# Altium PCB 通用工装板.PcbDoc (part 5 of 10)
Units mil, origin at the board's own origin, x right, y up, seen from the top; angles counter-clockwise.
Board outline 5905.51 x 3937.01 mil, 4 copper layers (L1, L2, L3, L4), stack 30.634 mil thick; 601 components, 576 nets, 2543 pads, 2986 vias.
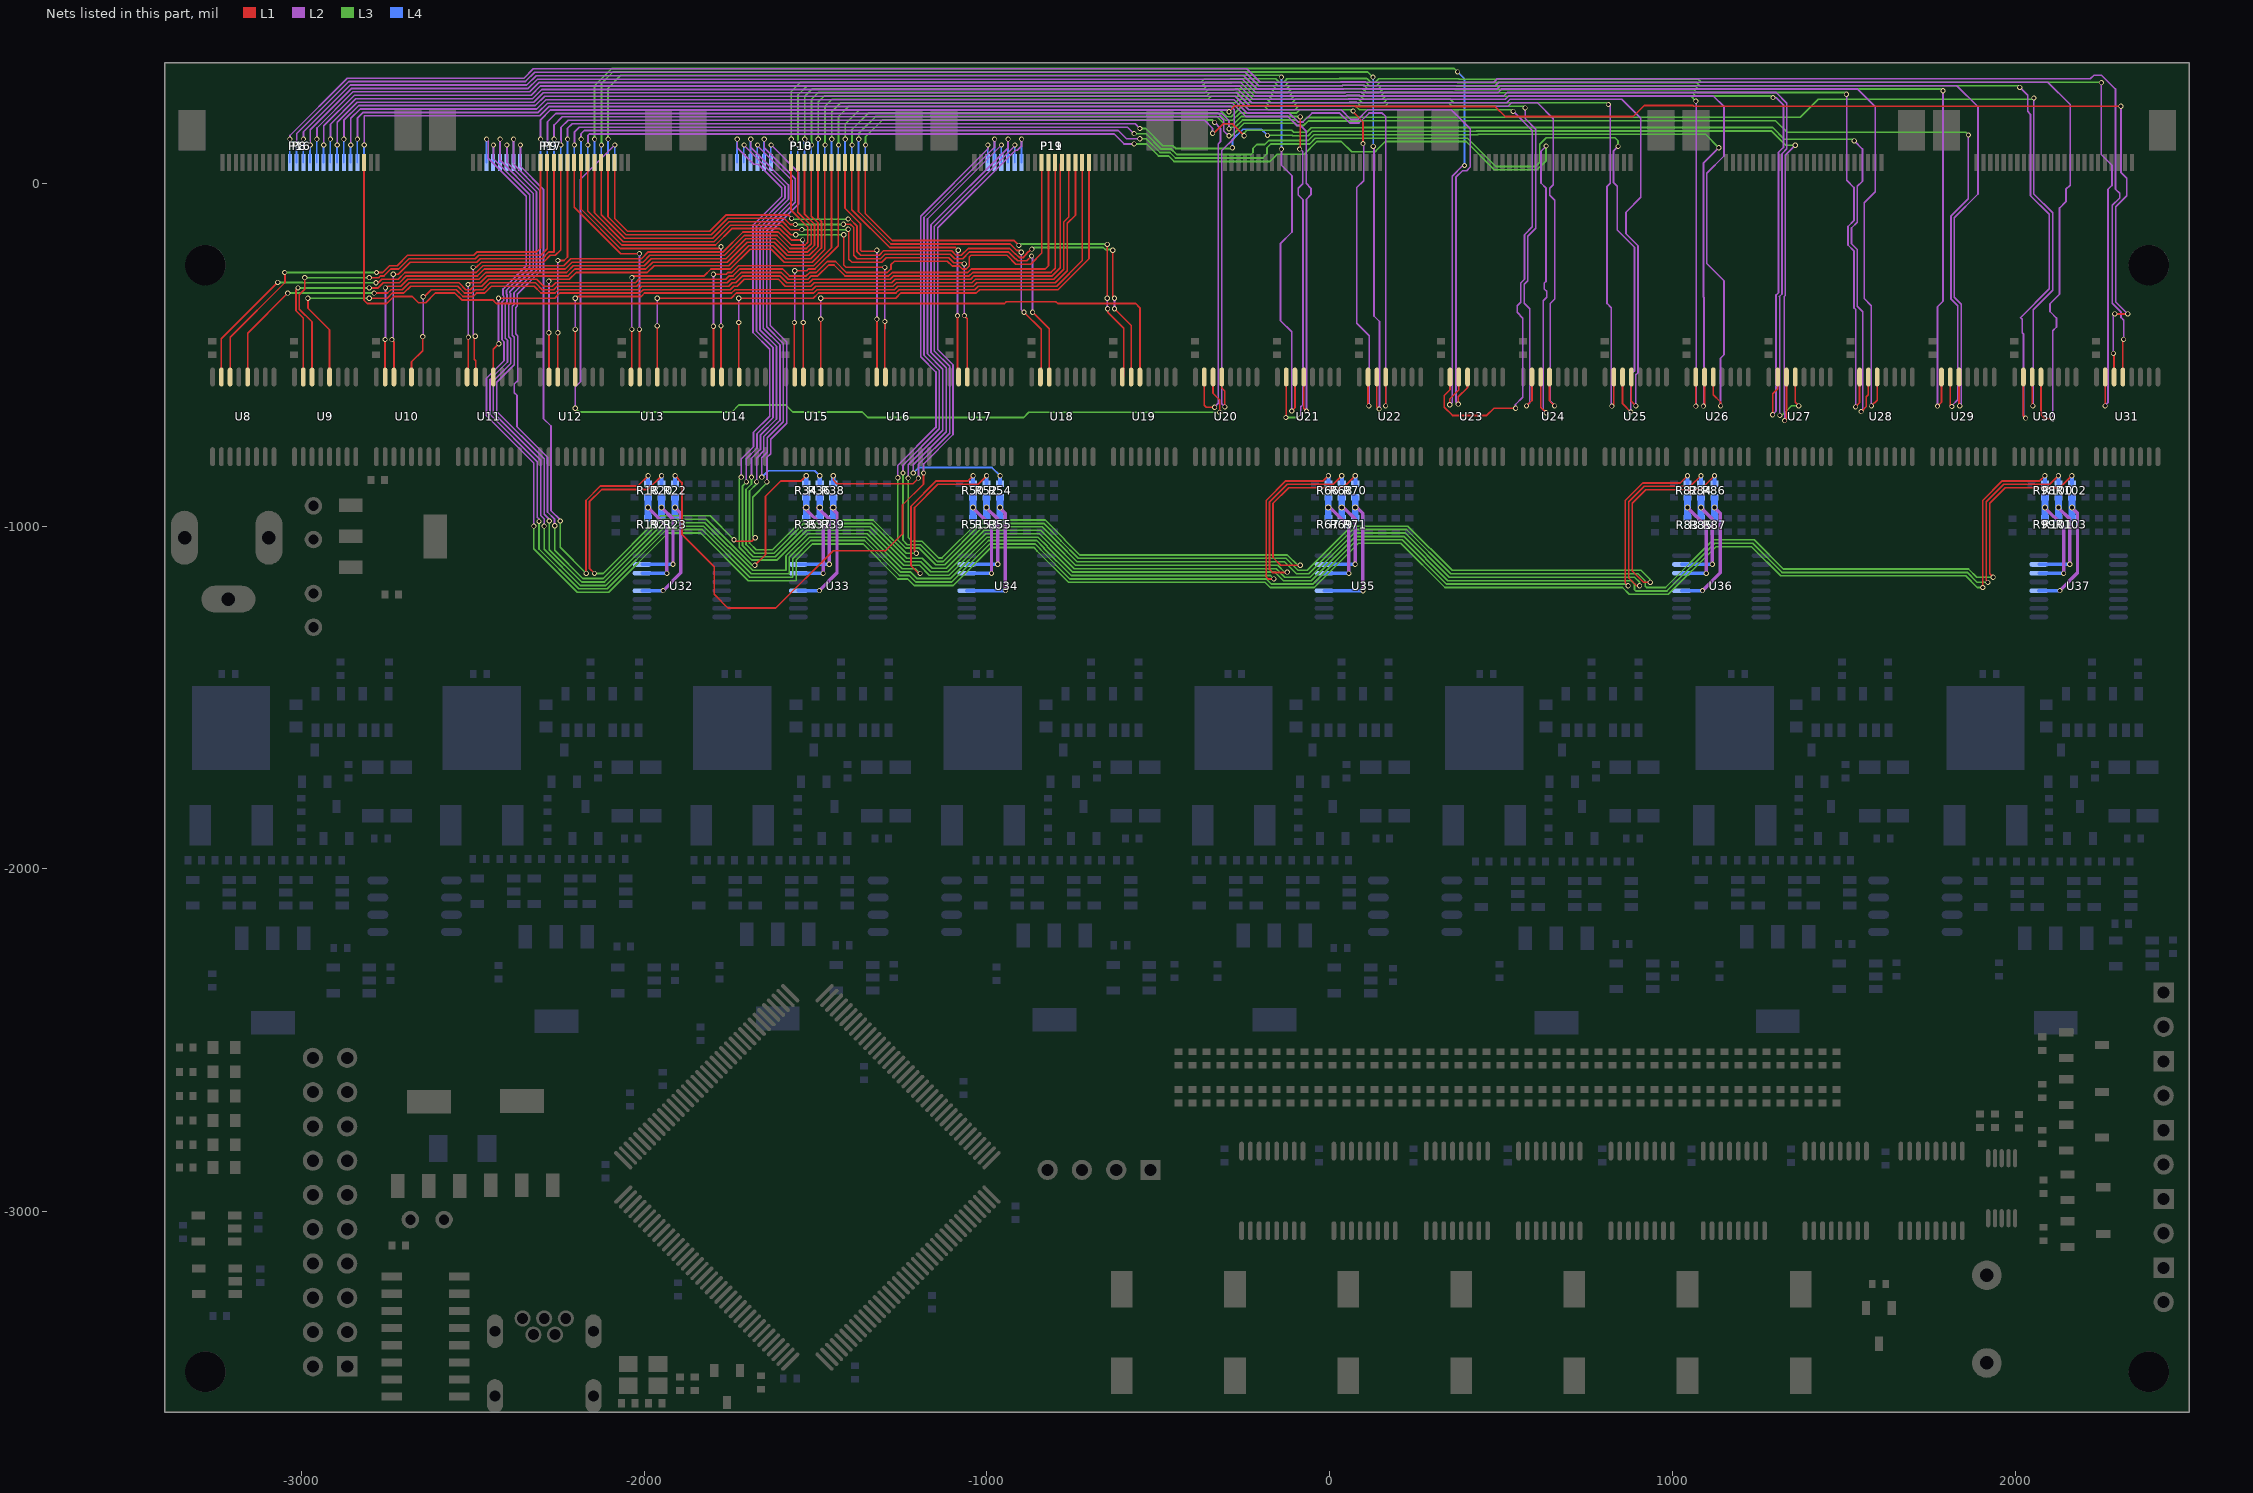
[diagram p7: the nets of this part, all layers, seen from the top]

## Via types
v1: diameter 15, hole 10, L1 to L4, tented both sides, 1853 vias
v2: diameter 18, hole 12, L1 to L4, tented both sides, 1133 vias

## Nets (pads, with @x,y where several pads share a name; then routed paths per layer and width w, separated by ;. In a path a pad name is that pad's centre, name@x,y a point inside that pad or via, vN(x,y) a via of type N, cw(c..) or ccw(c..) an arc to the next point about the centre after c; other vN are vias at no path point) (continued)
M0_GPIO11: P8.22 U19.13 | length 2920.7
  L1 w5: P8.22@-2817.29,60.67 -2817.29,-340.92 -2807.8,-350.42 -2750.92,-350.42 -2730.5,-330 -2676.29,-330 -2658.29,-348 -2637.79,-348 -2609.79,-320 -2552.64,-320 -2532.64,-340 -2441.57,-340 -2431.16,-350.42 -949,-350.42 -943.58,-345 -799,-345 -793.58,-350.42 -566.48,-350.42 -553.9,-363 U19.13@-553.9,-564.98
M0_GPIO12: P16.3 U20.13 | length 3664.7
  L1 w5: U20.13@-314.94,-564.98 -314.94,-597 -306,-605.94 v1(-306,-652)
  L2 w5: v1(-2816.63,112) -2816.63,195.37 -2815,197 -2305.14,197 -2278.14,224 -287.79,224 -279,215.21 -279,132 -315,96 -315,-643 v1(-306,-652)
  L4 w5: P16.3@-2817.29,60.67 -2817.29,111.34 v1(-2816.63,112)
M0_GPIO13: P16.4 U21.13 | length 3878.5
  L1 w5: U21.13@-75.98,-564.98 -75.98,-656.02 v1(-68,-664)
  L2 w5: v1(-2836.63,129) -2836.63,189.52 -2819.14,207 -2309.28,207 -2282.28,234 -283.64,234 -244.64,195 -122.36,195 -96.36,169 -86,169 -69,152 -69,0 -55,-14 -55,-33 -68,-46 v1(-68,-664)
  L4 w5: P16.4@-2836.97,60.67 -2836.97,128.65 v1(-2836.63,129)
M0_GPIO14: P16.5 U22.13 | length 4166.1
  L1 w5: v1(163,-649) U22.13@162.98,-564.98
  L2 w5: v1(-2856,112) -2856,189.73 -2828.72,217 -2313.43,217 -2286.43,244 -279.5,244 -240.5,205 -118.21,205 -92.21,179 -78,179 -52,205 28.86,205 57.86,176 85.36,176 114.36,205 153,205 163,195 v1(163,-649)
  L3 w5: v1(163,-649) v1@164,-648
  L4 w5: P16.5@-2856.66,60.67 -2856.66,111.34 v1(-2856,112)
M0_GPIO15: P16.6 U23.13 | length 4422.4
  L1 w5: v1(375,-644) 375,-623 401.94,-596.06 U23.13@401.94,-564.98
  L2 w5: v1(-2876,129) -2876,183.87 -2832.86,227 -2317.57,227 -2290.57,254 -275.36,254 -236.36,215 33,215 62,186 81.21,186 110.21,215 354,215 410,159 410,47.79 399.21,37 387,37 368,18 368,-637 v1(375,-644)
  L4 w5: P16.6@-2876.34,60.67 -2876.34,128.65 v1(-2876,129)
M0_I2C_SCL: P16.14 U31.13 | length 6392.4
  L1 w5: U31.13@2313.61,-564.98 v1@2313.61,-457.39
  L2 w5: v1(-3033.48,129) -3033.48,139.52 -2866,307 -2350.71,307 -2323.71,334 -242.22,334 -203.22,295 31.79,295 32.79,296 103.21,296 104.21,295 478.57,295 488.57,305 2219,305 2229.5,315.5 2251.5,315.5 2292,275 2292,-16.79 2304.21,-29 2304.21,-42.79 2283,-64 2283,-350.14 2308.5,-375.64 2308.5,-391.5 2316,-399 v1(2316,-455)
  L4 w5: P16.14@-3033.82,60.67 -3033.82,128.65 v1(-3033.48,129)
M0_I2C_SDA: P16.13 U30.13 | length 6484.3
  L1 w5: U30.13@2074.65,-564.98 2074.65,-675.65 2086,-687 v1(2109,-687)
  L2 w5: v1(-3013.48,112) -3013.48,145.38 -2861.86,297 -2346.56,297 -2319.56,324 -246.37,324 -207.37,285 35.93,285 36.93,286 99.07,286 100.07,285 482.72,285 492.72,295 2095,295 2160,230 2160,-5 2147.5,-17.5 2147.5,-53.64 2129,-72.14 2129,-323.14 2101,-351.14 2101,-373.86 2120.21,-393.07 2120.21,-419.14 2109,-430.36 v1(2109,-687)
  L4 w5: P16.13@-3014.14,60.67 -3014.14,111.34 v1(-3013.48,112)
M0_SPI_CLK: P16.11 U28.13 | length 5750.4
  L1 w5: v1(1580,-649) 1596.74,-632.26 U28.13@1596.74,-564.98
  L2 w5: v1(-2974.11,112) -2974.11,156.47 -2853.57,277 -2338.28,277 -2311.28,304 -254.65,304 -215.65,265 44.22,265 45.22,266 90.78,266 91.78,265 491,265 501,275 1540,275 1591,224 1591,-25 1559,-57 1559,-335.79 1580,-356.79 v1(1580,-649)
  L4 w5: P16.11@-2974.77,60.67 -2974.77,111.34 v1(-2974.11,112)
M0_SPI_CS: P16.12 U29.13 | length 6081.9
  L1 w5: v1@1835.69,-646.69 U29.13@1835.69,-564.98
  L2 w5: v1(-2994.11,129) -2994.11,150.61 -2857.72,287 -2342.42,287 -2315.42,314 -250.51,314 -211.51,275 40.08,275 41.08,276 94.92,276 95.92,275 486.86,275 496.86,285 1829,285 1891,223 1891,-31 1822,-100 1822,-332.5 1842,-352.5 1842,-645 v1(1838,-649)
  L4 w5: P16.12@-2994.45,60.67 -2994.45,128.65 v1(-2994.11,129)
M0_SPI_MISO: P16.9 U26.13 | length 5286.3
  L1 w5: U26.13@1118.82,-564.98 1118.82,-616.82 1140,-638 v1(1140,-649)
  L2 w5: v1(-2934.74,112) -2934.74,167.55 -2845.29,257 -2329.99,257 -2302.99,284 -262.93,284 -223.93,245 52.5,245 53.5,246 82.5,246 83.5,245 511.72,245 521.72,255 1119,255 1151,223 1150,222 1150,80 1100,30 1100,-234 1150,-284 1150,-500 1140,-510 v1(1140,-649)
  L4 w5: P16.9@-2935.4,60.67 -2935.4,111.34 v1(-2934.74,112)
M0_SPI_MOSI: P16.10 U27.13 | length 5552.6
  L1 w5: U27.13@1357.78,-564.98 1357.78,-638.78 v1(1368,-649)
  L2 w5: v1(-2954.74,129) -2954.74,161.7 -2849.43,267 -2334.14,267 -2307.14,294 -258.79,294 -219.79,255 48.36,255 49.36,256 86.64,256 87.64,255 507.57,255 517.57,265 1302,265 1333.43,233.57 1333.43,100.57 1319.07,86.21 1319.07,-322.93 1312,-330 1313,-331 v1(1313,-676.72)
  L3 w5: v1(1313,-676.72) 1319.07,-676.72 1346.79,-649 v1(1368,-649)
  L4 w5: P16.10@-2955.08,60.67 -2955.08,128.65 v1(-2954.74,129)
M0_UART_RX: P16.8 U25.13 | length 4983.7
  L1 w5: U25.13@879.86,-564.98 879.86,-635.86 v1(893,-649)
  L2 w5: v1(-2915.37,129) -2915.37,172.78 -2841.15,247 -2325.85,247 -2298.85,274 -267.08,274 -228.08,235 56.64,235 57.64,236 78.36,236 79.36,235 515.86,235 525.86,245 852,245 907,190 907,-41 864,-84 864,-147 899,-182 899,-552 893,-558 v1(893,-649)
  L4 w5: P16.8@-2915.71,60.67 -2915.71,128.65 v1(-2915.37,129)
M0_UART_TX: P16.7 U24.13 | length 4695.8
  L1 w5: U24.13@640.9,-564.98 640.9,-633.9 v1(656,-649)
  L2 w5: v1(-2895.37,112) -2895.37,178.64 -2837.01,237 -2321.71,237 -2294.71,264 -271.22,264 -232.22,225 60.79,225 61.79,226 74.21,226 75.21,225 520,225 530,235 606,235 652,189 652,-3.79 642,-13.79 642,-35 656,-49 656,-337.28 643,-350.28 643,-636 v1(656,-649) v1@652,-653
  L4 w5: P16.7@-2896.03,60.67 -2896.03,111.34 v1(-2895.37,112)
M1_ADC1: P17.17 R18.1 | length 1828.5
  L1 w5: v1@-2169.9,-1138 -2169.9,-925.14 -2127.8,-883.04 -2018.59,-883.04 v1(-1988.59,-853.04)
  L2 w5: v1(-2361.06,112) -2361.06,50.06 -2294,-17 -2294,-686 -2272,-708 -2272,-954.64 -2245,-981.64 v1(-2245,-985)
  L3 w5: v1(-2245,-985) -2245,-1062 v1(-2169,-1138)
  L4 w5: P17.17@-2361.72,60.67 -2361.72,111.34 v1(-2361.06,112)
  L4 w12: R18.1@-1988.59,-876.34 v1(-1988.59,-853.04)
M1_ADC2: P17.18 R34.1 | length 2510.7
  L1 w5: v1(-1677,-1114) -1646,-1083 -1646,-913.15 -1600.89,-868.04 -1542.31,-868.04 v1(-1527.31,-853.04)
  L2 w5: v1(-2381.06,129) -2381.06,55.91 -2304,-21.14 -2304,-257 -2370,-323 -2370,-357.78 -2375,-362.78 -2375,-439.22 -2369,-445.22 -2369,-575.52 -2379,-585.52 -2379,-610.51 -2371,-618.51 -2371,-710.21 -2282,-799.21 -2282,-958.79 -2262,-978.79 -2262,-998 v1(-2261,-999)
  L3 w5: v1(-2261,-999) -2261,-1070.43 -2178.43,-1153 -2120.28,-1153 -1947.28,-980 -1818.72,-980 -1684.72,-1114 v1(-1677,-1114)
  L4 w5: P17.18@-2381.41,60.67 -2381.4,128.65 v1(-2381.06,129)
  L4 w12: R34.1@-1527.37,-876.34 v1(-1527.31,-853.04)
M1_ADC3: P17.19 R50.1 | length 3203
  L1 w5: v1(-1195,-1138) -1199,-1138 -1221.62,-1115.38 -1221.62,-941.76 -1147.9,-868.04 -1055.31,-868.04 v1(-1040.31,-853.04)
  L2 w5: v1(-2400.43,112) -2400.43,61.14 -2314,-25.28 -2314,-252.86 -2380,-318.86 -2380,-353.64 -2385,-358.64 -2385,-443.36 -2379,-449.36 -2379,-529.59 -2430,-580.59 -2430,-665.36 -2292,-803.36 -2292,-964.86 -2277,-979.86 v1(-2277,-985)
  L3 w5: v1(-2277,-985) -2277,-1068.57 -2182.57,-1163 -2116.14,-1163 -1943.14,-990 -1822.86,-990 -1683.86,-1129 -1586.5,-1129 -1586.5,-1086.51 -1521.99,-1022 -1349.01,-1022 -1247.01,-1124 -1209,-1124 v1(-1195,-1138)
  L4 w5: P17.19@-2401.09,60.67 -2401.09,111.34 v1(-2400.43,112)
  L4 w12: R50.1@-1040.31,-876.34 v1(-1040.31,-853.04)
M1_ADC4: P17.20 R66.1 | length 4421.2
  L1 w5: v1(-163,-1154) -180,-1154 -185.55,-1148.45 -185.55,-925.14 -128.45,-868.04 -19.24,-868.04 v1(-4.24,-853.04)
  L2 w5: v1(-2420.43,129) -2420.43,67 -2324,-29.43 -2324,-248.72 -2392,-316.72 -2392,-318.5 -2390,-320.5 -2390,-349.5 -2395,-354.5 -2395,-447.5 -2389,-453.5 -2389,-525.45 -2440,-576.45 -2440,-669.5 -2302,-807.5 -2302,-969 -2292,-979 v1(-2292,-1000)
  L3 w5: v1(-2292,-1000) -2292,-1067.72 -2186.72,-1173 -2111.99,-1173 -1938.99,-1000 -1827,-1000 -1688,-1139 -1576.5,-1139 -1576.5,-1090.65 -1517.85,-1032 -1353.15,-1032 -1251.15,-1134 -1222.5,-1134 -1203.5,-1153 -1106.71,-1153 -995.71,-1042 -855.29,-1042 -834,-1063.29 -834,-1064.07 -754.07,-1144 -173,-1144 v1(-163,-1154)
  L4 w5: P17.20@-2420.78,60.67 -2420.77,128.65 v1(-2420.43,129)
  L4 w12: R66.1@-4.24,-876.34 v1(-4.24,-853.04)
M1_ADC5: P17.21 R82.1 | length 5561.2
  L1 w5: v1(870.21,-1174) 862.28,-1166.07 862.28,-925.14 913.42,-874 1022.63,-874 v1(1043.59,-853.04)
  L2 w5: v1(-2439.8,112) -2439.8,72.23 -2334,-33.57 -2334,-244.57 -2402,-312.57 -2402,-322.64 -2400,-324.64 -2400,-345.36 -2405,-350.36 -2405,-451.64 -2399,-457.64 -2399,-521.31 -2450,-572.31 -2450,-673.64 -2312,-811.64 -2312,-974 -2307,-979 v1(-2307,-986)
  L3 w5: v1(-2307,-986) -2307,-1066.86 -2190.86,-1183 -2107.85,-1183 -1934.85,-1010 -1831.14,-1010 -1692.14,-1149 -1566.5,-1149 -1566.5,-1094.79 -1513.71,-1042 -1357.29,-1042 -1255.29,-1144 -1226.64,-1144 -1207.64,-1163 -1102.57,-1163 -991.57,-1052 -859.43,-1052 -844,-1067.43 -844,-1068.21 -758.21,-1154 -184.86,-1154 -169.86,-1169 -49.43,-1169 79.57,-1040 211.43,-1040 340.43,-1169 865.21,-1169 v1(870.21,-1174)
  L4 w5: P17.21@-2440.46,60.67 -2440.46,111.34 v1(-2439.8,112) ; v1@870.21,-1175.79 v1(870.21,-1174)
  L4 w12: R82.1@1043.53,-876.34 v1(1043.59,-853.04)
M1_ADC6: P17.22 R98.1 | length 6767
  L1 w5: v1(1905,-1179) 1905,-925.14 1962.1,-868.04 2071.31,-868.04 v1(2086.31,-853.04)
  L2 w5: v1(-2459.8,129) -2454.8,124 -2454.8,73.09 -2344,-37.71 -2344,-240.43 -2412,-308.43 -2412,-326.79 -2410,-328.79 -2410,-341.21 -2415,-346.21 -2415,-455.79 -2409,-461.79 -2409,-517.17 -2460,-568.17 -2460,-677.78 -2322,-815.78 v1(-2322,-1000)
  L3 w5: v1(-2322,-1000) -2322,-1066 -2195,-1193 -2103.71,-1193 -1930.71,-1020 -1835.28,-1020 -1696.28,-1159 -1556.5,-1159 -1556.5,-1098.93 -1509.57,-1052 -1361.43,-1052 -1259.43,-1154 -1230.79,-1154 -1211.79,-1173 -1098.43,-1173 -987.43,-1062 -863.57,-1062 -854,-1071.57 -854,-1072.35 -762.35,-1164 -189,-1164 -174,-1179 -45.28,-1179 83.72,-1050 207.28,-1050 336.28,-1179 854,-1179 874,-1199 987.86,-1199 1126.86,-1060 1230.14,-1060 1315.14,-1145 1855.14,-1145 1889.14,-1179 v1(1905,-1179)
  L4 w5: P17.22@-2460.15,60.67 -2460.15,128.65 v1(-2459.8,129)
  L4 w12: R98.1@2086.25,-876.34 v1(2086.31,-853.04)
M1_FADC1: R18.2 R19.1 U32.14 | length 348.2
  L2 w10: v2(-1988.63,-946) -1934,-1000.63 v1(-1934,-1138)
  L4 w10: U32.14@-2006.27,-1137.17 -2005.43,-1138 v1(-1934,-1138)
  L4 w20: R19.1@-1988.59,-976.69 R18.2@-1988.59,-915.71
M1_FADC2: R34.2 R35.1 U33.14 | length 347
  L2 w10: v2@-1532.72,-946 -1478.09,-1000.63 v1(-1478.09,-1138)
  L4 w10: U33.14@-1549.53,-1138 v1(-1478.09,-1138)
  L4 w20: R35.1@-1527.37,-976.73 R34.2@-1527.37,-915.71
  other v2: -1527.41,-946
M1_FADC3: R50.2 R51.1 U34.14 | length 347
  L2 w10: v2@-1041.39,-946 -986.76,-1000.63 v1(-986.76,-1138)
  L4 w10: U34.14@-1058.19,-1138 v1(-986.76,-1138)
  L4 w20: R51.1@-1040.43,-976.69 R50.2@-1040.43,-915.71
  other v2: -1040.46,-946
M1_FADC4: R66.2 R67.1 U35.14 | length 347
  L2 w10: v2@1.13,-946 55.76,-1000.63 v1(55.76,-1138)
  L4 w10: U35.14@-15.67,-1138 v1(55.76,-1138)
  L4 w20: R67.1@-4.3,-976.73 R66.2@-4.3,-915.71
  other v2: -4.34,-946
M1_FADC5: R82.2 R83.1 U36.14 | length 347
  L2 w10: v2@1043.65,-946 1098.28,-1000.63 v1(1098.28,-1138)
  L4 w10: U36.14@1026.85,-1138 v1(1098.28,-1138)
  L4 w20: R83.1@1043.53,-976.69 R82.2@1043.53,-915.71
  other v2: 1043.49,-946
M1_FADC6: R98.2 R99.1 U37.14 | length 347
  L2 w10: v2(2086.21,-946) 2140.8,-1000.63 v1(2140.8,-1138)
  L4 w10: U37.14@2069.37,-1138 v1(2140.8,-1138)
  L4 w20: R99.1@2086.25,-976.73 R98.2@2086.25,-915.71
M1_GPIO0: P9.11 U8.14 | length 1396.9
  L1 w5: U8.14@-3208.04,-564.98 -3208.04,-449.46 -3048,-289.42 -3048,-261 v1(-3049,-260) ; v1(-2781,-260) -2763.14,-260 -2743.14,-240 -2720.43,-240 -2690.43,-210 -2496.99,-210 -2486.99,-200 -2313.99,-200 -2302.67,-188.67 P9.11@-2302.67,60.67
  L3 w5: v1(-3049,-260) v1(-2781,-260)
M1_GPIO1: P9.12 U9.14 | length 1308.4
  L1 w5: v1@-2988.4,-277 v1(-2990.4,-275) -2990.4,-309.05 -3006,-324.64 -3006,-367.28 -2969.08,-404.2 U9.14@-2969.08,-564.98 ; v1(-2802,-275) -2774.5,-275 -2769.5,-270 -2759,-270 -2739,-250 -2716.28,-250 -2686.28,-220 -2492.85,-220 -2482.85,-210 -2301.99,-210 -2282.98,-190.99 P9.12@-2282.98,60.67
  L3 w5: v1(-2990.4,-275) v1(-2802,-275)
M1_GPIO2: P9.13 U10.14 | length 1054.7
  L1 w5: v1(-2736,-456) -2730.12,-461.88 U10.14@-2730.12,-564.98 ; v1(-2732,-265) -2717.14,-265 -2682.14,-230 -2488.71,-230 -2478.71,-220 -2297.85,-220 -2277.85,-200 -2263.3,-200 P9.13@-2263.3,60.67
  L2 w5: v1@-2732,-452 v1(-2732,-265)
M1_GPIO3: P9.14 U11.14 | length 857.3
  L1 w5: v1(-2499,-245) -2489.57,-245 -2474.57,-230 -2293.71,-230 -2273.71,-210 -2259,-210 -2243.61,-194.61 P9.14@-2243.61,60.67 ; v1(-2493,-446) -2496,-449 -2496,-513 -2491.16,-517.84 U11.14@-2491.16,-564.98
  L2 w5: v1(-2499,-245) -2499,-440 v1(-2493,-446)
M1_GPIO4: P9.15 U12.14 | length 656
  L1 w5: U12.14@-2252.2,-564.98 -2252.2,-432.2 -2252,-432 v1(-2252,-436) ; v1(-2252,-225) -2233.93,-225 -2223.93,-215 P9.15@-2223.93,60.67
  L2 w5: v1(-2252,-436) v1(-2252,-225)
  other v1: -2252,-436 -2252,-225
M1_GPIO5: P9.16 U13.14 | length 736.8
  L1 w5: P9.16@-2204.24,60.67 -2204.24,-69.47 -2068.71,-205 v1(-2014,-205) ; v1(-2014,-426) -2014,-564.23 U13.14@-2013.24,-564.98
  L2 w5: v1(-2014,-426) v1(-2014,-205)
M1_GPIO6: P9.17 U14.14 | length 974.6
  L1 w5: P9.17@-2184.56,60.67 -2184.56,-75.01 -2069.57,-190 -1781,-190 v1(-1776,-185) ; v1(-1776,-416) -1776,-563.27 U14.14@-1774.28,-564.98
  L2 w5: v1(-1776,-416) v1(-1776,-185)
M1_GPIO7: P9.18 U15.14 | length 1245.7
  L1 w5: P9.18@-2164.87,60.67 -2164.87,-80.55 -2065.43,-180 -1792.21,-180 -1744.21,-132 -1604.43,-132 -1571.43,-165 v1(-1538.08,-165) ; U15.14@-1536.08,-564.23 -1536,-564.15 v1(-1536,-406)
  L2 w5: v1(-1538.08,-165) -1536,-167.08 v1(-1536,-406)
  L4 w5: v1(-1538.08,-165) v1@-1536.08,-167
M1_GPIO8: P9.19 U16.14 | length 1492.8
  L1 w5: P9.19@-2145.19,60.67 -2145.19,-86.1 -2061.28,-170 -1796.36,-170 -1748.36,-122 -1600.28,-122 -1572.28,-150 v1(-1558,-150) ; v1(-1418,-150) -1418,-238 -1411.5,-244.5 -1298.5,-244.5 v1(-1298,-245) ; v1(-1298,-403) -1298,-563.35 U16.14@-1297.12,-564.23
  L2 w5: v1(-1298,-403) v1(-1298,-245)
  L3 w5: v1(-1558,-150) v1(-1418,-150)
  L4 w5: -1298,-425.12 v1(-1298,-403)
M1_GPIO9: P9.20 U17.14 | length 1707.6
  L1 w5: P9.20@-2125.5,60.67 -2125.5,-91.64 -2057.14,-160 -1800.5,-160 -1752.5,-112 -1596.14,-112 -1573.14,-135 v1(-1540,-135) ; v1(-1405,-134) -1403,-136 -1403,-221 -1394,-230 -1306.5,-230 -1293.5,-217 -1111.5,-217 -1097.28,-231.21 -1070.14,-231.21 v1(-1066.35,-235) ; v1(-1066,-386) -1057.41,-394.59 U17.14@-1057.41,-564.98
  L2 w5: v1@-1406,-135 v1(-1405,-134) ; v1(-1066.35,-235) -1066.35,-385.65 v1(-1066,-386)
  L3 w5: v1(-1540,-135) v1@-1406,-135
  L4 w5: v1@-1406,-135 v1(-1405,-134) ; v1@-1066.35,-385.65 v1(-1066,-386)
M1_GPIO10: P9.21 U18.14 | length 1941.9
  L1 w5: P9.21@-2105.82,60.67 -2105.82,-97.18 -2053,-150 -1804.64,-150 -1756.64,-102 -1592,-102 -1574,-120 v1(-1559,-120) ; v1(-1418.71,-119.43) -1418.28,-119 -1398.79,-119 -1389,-128.79 -1389,-210 -1379,-220 -1310.64,-220 -1297.64,-207 -1107.36,-207 -1094.36,-220 -1070.86,-220 -1050.86,-200 -937.5,-200 -917.5,-220 -916.36,-220 -910.36,-226 -884,-226 v1(-870,-212) ; v1(-867,-376) -818.45,-424.55 U18.14@-818.45,-564.98
  L2 w5: v1(-870,-212) -867,-215 v1(-867,-376)
  L3 w5: v1(-1559,-120) v1@-1419.28,-120
M1_GPIO11: P9.22 U19.14 | length 2187.6
  L1 w5: P9.22@-2086.13,60.67 -2086.13,-102.72 -2048.86,-140 -1808.78,-140 -1760.78,-92 -1580,-92 v1(-1570,-102) ; v1(-1405,-104) -1399.64,-104 -1379,-124.64 -1379,-199.14 -1368.14,-210 -1314.79,-210 -1301.79,-197 -1103.21,-197 -1090.21,-210 -1075,-210 -1055,-190 -933.36,-190 -917.36,-206 -916.21,-206 -906.21,-216 -893.79,-216 -885,-207.21 -885,-205.79 -871.21,-192 v1(-869,-192) ; v1(-633,-195) -633,-330 v1(-628,-335) ; v1(-628,-366) -579.49,-414.51 U19.14@-579.49,-564.98
  L2 w5: v1(-1570,-102) v1@-1567.26,-104.74 ; v1@-1405.43,-104.43 v1(-1405,-104) ; v1(-628,-366) v1(-628,-335)
  L3 w5: v1@-1567.26,-104.74 -1425.24,-104.74 -1424.93,-104.43 v1@-1405.43,-104.43 ; v1(-869,-192) -864,-187 -661.21,-187 -655.21,-193 -635,-193 v1(-633,-195)
  L4 w5: v1(-1570,-102) v1@-1567.26,-104.74 ; v1@-1405.43,-104.43 v1(-1405,-104)
M1_GPIO12: P17.3 U20.14 | length 2892.8
  L1 w5: U20.14@-340.53,-564.98 -340.53,-612.47 -321,-632 v1(-321,-668)
  L2 w5: v1(-2201,-656) -2201,-594 -2186,-579 -2186,11.47 v1(-2085.47,112)
  L3 w5: v1(-2201,-656) -2190,-667 -1744,-667 -1723.73,-646.73 -1587.27,-646.73 -1567,-667 -1364,-667 -1348,-683 -893,-683 -878,-668 v1(-321,-668)
  L4 w5: P17.3@-2086.13,60.67 -2086.13,111.34 v1(-2085.47,112)
M1_GPIO13: P17.4 U21.14 | length 3316.6
  L1 w5: v1(-111,-664) -101.57,-654.57 U21.14@-101.57,-564.98
  L2 w5: v1(-141,100) -141,53 -110,22 -110,-142 -144,-176 -144,-400 -111,-433 v1(-111,-664)
  L3 w5: v1(-2105.47,129) -2105.47,277.53 -2068,315 -146,315 v1(-141,310)
  L4 w5: P17.4@-2105.81,60.67 -2105.81,128.65 v1(-2105.47,129) ; v1(-141,100) v1(-141,310)
M1_GPIO14: P17.5 U22.14 | length 3575.2
  L1 w5: U22.14@137.39,-564.98 137.39,-651.67 v1(144,-658.28)
  L2 w5: v1(127,108) 127,106 128,105 129,104 129,-387 145,-403 145,-657.28 v1(144,-658.28)
  L3 w5: v1(-2124.84,112) -2124.84,291.02 -2090.86,325 111,325 v1(126,310)
  L4 w5: P17.5@-2125.5,60.67 -2125.5,111.34 v1(-2124.84,112) ; v1(126,310) 128,308 127,307 v1(127,108)
M1_GPIO15: P17.6 U23.14 | length 3861
  L1 w5: v1(350,-646) 350,-629 376.35,-602.65 U23.14@376.35,-564.98
  L2 w5: v1(350,-646) 357,-639 357,21.14 387.86,52 v1(393,52)
  L3 w5: v1(-2144.84,129) -2144.84,285.16 -2095,335 363,335 v1(373,325)
  L4 w5: P17.6@-2145.18,60.67 -2145.18,128.65 v1(-2144.84,129) ; v1(373,325) 395,303 393,301 v1(393,52)
M1_I2C_SCL: P17.14 U31.14 | length 5649.9
  L1 w5: v1(-294,209) -277,226 74.21,226 76.21,224 483,224 512,195 885,195 917,227 1059.79,227 1061.79,225 v1(2308,225) ; v1(2286,-496) 2288.02,-498.02 U31.14@2288.02,-564.98 ; v1@2289,-382 v1(2290,-381) v1(2328,-381)
  L2 w5: v1(-2302.32,129) -2302.32,185.68 -2274,214 -299,214 v1(-294,209) ; v1(2286,-496) 2286,-385 v1(2290,-381) ; v1(2308,225) 2308,32 2325,15 2325,-36.14 2293,-68.14 2293,-346 v1(2328,-381)
  L4 w5: P17.14@-2302.67,60.67 -2302.67,128.65 v1(-2302.32,129)
M1_I2C_SDA: P17.13 U30.14 | length 5570.3
  L1 w5: v1@2049.06,-647.06 U30.14@2049.06,-564.98
  L2 w5: v1(-2282.32,112) -2282.32,179.68 -2258,204 -315,204 -294,183 v1(-294,159) ; v1(2051,-649) 2052,-648 2052,-369 2109,-312 2109,-86.21 2054,-31.21 v1(2054,249) v1@2052,247
  L3 w5: v1(-294,159) -289,164 -275.36,164 -254.36,185 -98.21,185 -92.21,179 -79.79,179 -66.79,192 87.21,192 88.21,193 1372.57,193 1424.57,245 2050,245 v1(2054,249)
  L4 w5: P17.13@-2282.98,60.67 -2282.98,111.34 v1(-2282.32,112)
M1_SPI_CLK: P17.11 U28.14 | length 4911.1
  L1 w5: v1(-342,146) -339,146 -311,174 -285,174 v1(-250,139) ; v1(1550,-666) 1565,-651 1565,-623 1571.14,-616.86 U28.14@1571.14,-564.98
  L2 w5: v1(-2242.95,112) -2242.95,163.05 -2222,184 -365,184 -342,161 v1(-342,146) ; v1(1530,124) 1554,100 1554,6.21 1539,-8.79 1539,-113.14 1522,-130.14 1522,-175.86 1539,-192.86 1539,-358.86 1555,-374.86 1555,-663 1552,-666 v1(1550,-666)
  L3 w5: v1(-250,139) -250,146.93 -241.93,155 -110.64,155 -104.64,149 -67.36,149 -54.36,162 99.64,162 100.64,163 1292.14,163 1326.14,129 1526,129 1530,125 v1(1530,124)
  L4 w5: P17.11@-2243.61,60.67 -2243.61,111.34 v1(-2242.95,112)
M1_SPI_CS: P17.12 U29.14 | length 5245.2
  L1 w5: U29.14@1810.1,-564.98 1810.1,-649.1 1812,-651 v1(1815,-651)
  L2 w5: v1(-2262.95,129) -2262.95,170.05 -2239,194 -319.14,194 -309,183.86 -309,152.79 -295.21,139 v1(-294,139) ; v1(1815,-651) 1815,-648 1832,-631 1832,-356.64 1812,-336.64 1812,-95.86 1863,-44.86 v1(1863,141)
  L3 w5: v1(-294,139) -286.22,139 -250.22,175 -102.36,175 -96.36,169 -75.64,169 -62.64,182 91.36,182 92.36,183 1300.43,183 1334.43,149 1855,149 v1(1863,141)